# KiCad board CamTracker.kicad_pcb (continued)
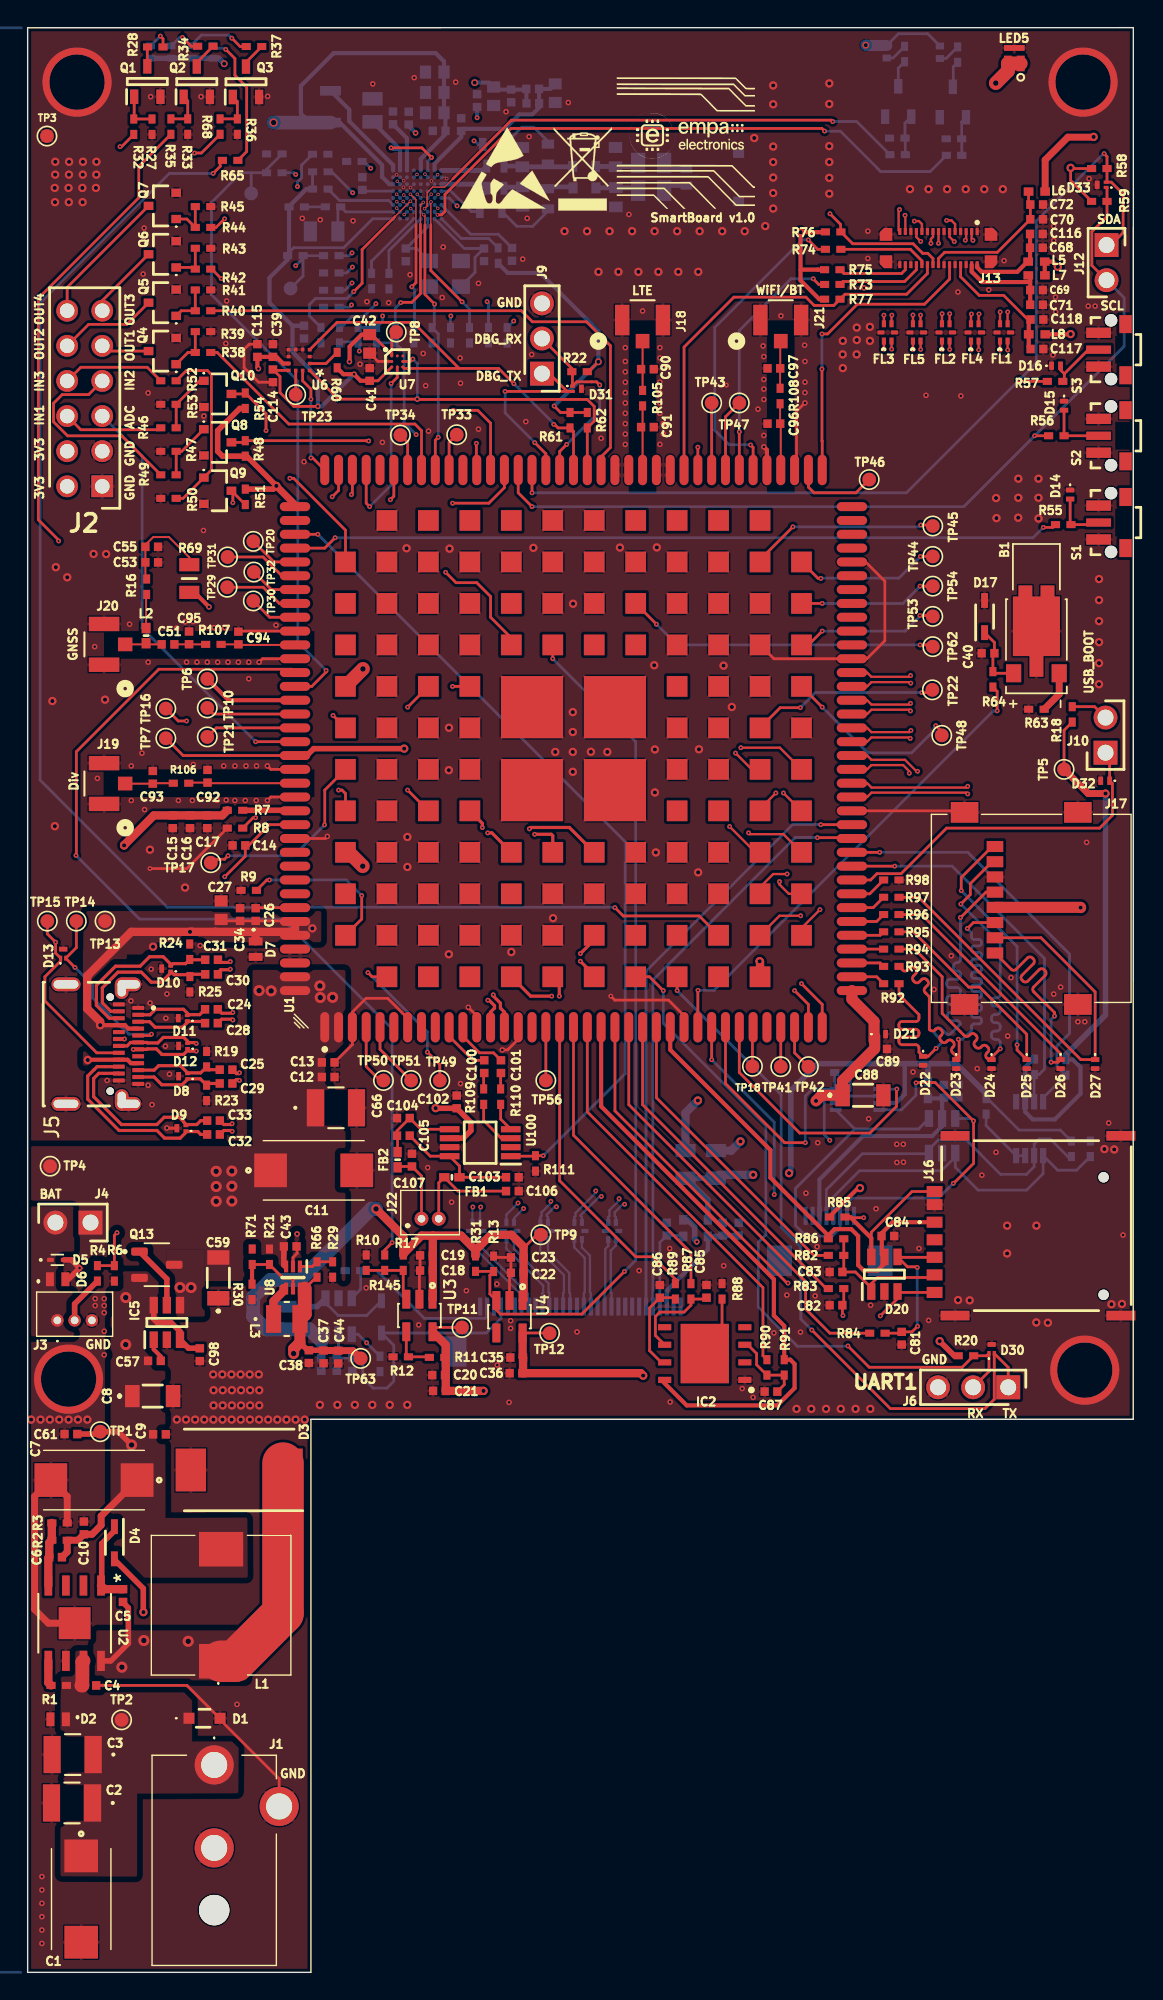
[diagram p0: board, top side]
## Footprints (pads in the part's own frame, mm; a bottom-side part is the same pattern mirrored in y, then rotated) (continued)
SC110501UTG
  rect 0.58x1 smd: 1(-0.56,0) 2(0.56,0)
SC120501ETG
  rect 0.35x0.6 smd: 1(-0.325,0) 2(0.325,0)
SD12CTCT
  rect 0.8x0.8 smd: 1(-1.125,0) 2(1.125,0)
SESD0402Q2UG0020090
  rect 0.23x0.35 smd: 1(-0.19,-0.325) 2(0.19,-0.325)
  rect 0.6x0.35 smd: 3(0,0.325)
SIM8066611401A
  round 0.75 hole 0.75 unplated: (-5,-4.86) (3.5,-4.86)
  rect 0.8x1.14 smd: C1(0.25,7.37) C2(-2.29,7.37) C3(-4.83,7.37) C5(1.52,7.37) C6(-1.02,7.37) C7(-3.56,7.37) CD1(2.47,7.37)
  rect 0.7x2.1 smd: G1(-6.5,5.89) G2(-6.5,-6.11) G3(6.5,-6.11) G4(6.5,5.89)
SMLP11VTT86R
  rect 0.6x0.5 smd: 1(0,-0.45) 2(0,0.45)
SOD2513X120N
  rect 1.075x0.5 smd: 1(-1.162,0) 2(1.162,0)
SODFL1006X40N
  rrect 0.5x0.3 smd: 1(-0.5,0) 2(0.5,0)
SON127P600X500X100-9N
  rect 0.95x0.45 smd: 1(-2.9,1.905) 2(-2.9,0.635) 3(-2.9,-0.635) 4(-2.9,-1.905) 5(2.9,-1.905) 6(2.9,-0.635) 7(2.9,0.635) 8(2.9,1.905)
  rect 3.5x4.3 smd: 9(0,0)
SOP8L_EP1_RIT
  rect 1.46x0.559 smd: 1(-2.724,1.905) 2(-2.724,0.635) 3(-2.724,-0.635) 4(-2.724,-1.905) 5(2.724,-1.905) 6(2.724,-0.635) 7(2.724,0.635) 8(2.724,1.905)
  rect 2.311x2.311 smd: EPAD(0,0)
SOP50P310X90-8N
  rect 0.85x0.3 smd: 1(-1.575,0.75) 2(-1.575,0.25) 3(-1.575,-0.25) 4(-1.575,-0.75) 5(1.575,-0.75) 6(1.575,-0.25) 7(1.575,0.25) 8(1.575,0.75)
SOP65P400X130-8N
  rect 1.1x0.45 smd: 1(-1.95,0.975) 2(-1.95,0.325) 3(-1.95,-0.325) 4(-1.95,-0.975) 5(1.95,-0.975) 6(1.95,-0.325) 7(1.95,0.325) 8(1.95,0.975)
SOP65P490X110-8N
  rect 1.425x0.45 smd: 1(-2.212,0.975) 2(-2.212,0.325) 3(-2.212,-0.325) 4(-2.212,-0.975) 5(2.212,-0.975) 6(2.212,-0.325) 7(2.212,0.325) 8(2.212,0.975)
SOT50P162X60-6N
  rect 0.85x0.3 smd: 1(-0.8,0.5) 2(-0.8,0) 3(-0.8,-0.5) 4(0.8,-0.5) 5(0.8,0) 6(0.8,0.5)
SOT95P230X110-3N
  rect 1.05x0.6 smd: 1(-1.1,0.95) 2(-1.1,-0.95) 3(1.1,0)
SOT95P280X125-3N
  rrect 1.21x0.59 smd: 1(-1.255,0.95) 2(-1.255,-0.95) 3(1.255,0)
SOT95P280X145-6N
  rect 1.2x0.6 smd: 1(-1.25,0.95) 2(-1.25,0) 3(-1.25,-0.95) 4(1.25,-0.95) 5(1.25,0) 6(1.25,0.95)
SOT95P285X140-6N
  rect 1.15x0.6 smd: 1(-1.3,0.95) 2(-1.3,0) 3(-1.3,-0.95) 4(1.3,-0.95) 5(1.3,0) 6(1.3,0.95)
SOT95P285X145-5N
  rrect 1.37x0.59 smd: 1(-1.175,0.95) 2(-1.175,0) 3(-1.175,-0.95) 4(1.175,-0.95) 5(1.175,0.95)
T495D
  rect 2.37x2.43 smd: 1(-3.12,0) 2(3.12,0)
T495X
  rect 2.37x2.43 smd: 1(-3.12,0) 2(3.12,0)
TestPoint_Pad_D1.0mm
  round 1 smd: 1(0,0)
VLS2520
  rect 0.85x2 smd: 1(-0.825,0) 2(0.825,0)
YXT_YXT-BB10-30S-02
  rect 0.23x0.5 smd: 1(-2.8,-1.2) 2(-2.4,-1.2) 3(-2,-1.2) 4(-1.6,-1.2) 5(-1.2,-1.2) 6(-0.8,-1.2) 7(-0.4,-1.2) 8(0,-1.2) 9(0.4,-1.2) 10(0.8,-1.2) 11(1.2,-1.2) 12(1.6,-1.2) 13(2,-1.2) 14(2.4,-1.2) 15(2.8,-1.2) 16(2.8,1.2) 17(2.4,1.2) 18(2,1.2) 19(1.6,1.2) 20(1.2,1.2) 21(0.8,1.2) 22(0.4,1.2) 23(0,1.2) 24(-0.4,1.2) 25(-0.8,1.2) 26(-1.2,1.2) 27(-1.6,1.2) 28(-2,1.2) 29(-2.4,1.2) 30(-2.8,1.2)
  custom 0.91x0.93 smd: 31(-3.8,-0.99) 32(3.8,-0.99) 33(3.8,0.99) 34(-3.8,0.99)

## Nets
GND: B1.SH1 C1.2 C2.2 C3.2 C4.2 C7.2 C8.2 C9.2 C10.2 C11.2 C12.2 C13.2 C14.1 C15.2 C16.2 C17.2 C18.2 C19.2 C20.2 C21.2 C22.2 C23.2 C26.2 C27.2 C34.2 C35.2 C36.2 C37.2 C38.2 C39.2 C40.2 C41.2 C42.1 C43.2 C44.1 C46.2 C47.2 C49.1 C50.2 C52.2 C53.2 C54.2 C55.2 C56.2 C59.1 C61.2 C62.2 C64.2 C66.2 C67.2 C68.2 C69.2 C70.2 C71.2 C72.2 C73.2 C74.2 C75.2 C76.1 C77.1 C78.1 C79.1 C80.1 C81.1 C82.1 C83.1 C84.2 C85.2 C86.2 C87.2 C88.2 C89.2 C90.2 C91.2 C92.2 C93.2 C94.2 C95.2 C96.2 C97.2 C98.2 C102.2 C103.1 C104.1 C106.1 C107.1 C112.2 C113.2 C114.2 C115.2 C116.2 C117.2 C118.2 C120.2 C122.1 C124.2 C127.2 C129.2 C136.2 C138.1 C139.2 C144.2 D1.2 D2.2 D3.2 D5.2 D6.2 D7.2 D8.3 D9.3 D10.3 D11.3 D12.3 D13.3 D14.1 D15.1 D16.1 D17.2 D19.2 D20.2 D21.2 D22.2 D23.2 D24.2 D25.2 D26.2 D27.2 D30.3 D31.3 D32.2 D33.3 FL1.5 FL1.6 FL2.5 FL2.6 FL3.5 FL3.6 FL4.5 FL4.6 FL5.5 FL5.6 FL6.5 FL6.6 FL7.5 FL7.6 FL8.5 FL8.6 FL9.5 FL9.6 FL10.5 FL10.6 IC1.A2 IC1.B2 IC1.C3 IC1.C4 IC1.D3 IC1.D4 IC1.E3 IC1.E4 IC1.F3 IC1.F4 IC1.G3 IC1.H2 IC2.1 IC3.1 IC4.2 IC5.2 J1.2 J1.3 J2.1 J2.3 J3.3 J5.A1 J5.A12 J5.B1 J5.B12 J5.G1 J5.G2 J5.G3 J5.G4 J6.3 J7.S1 J7.S2 J9.3 J13.1 J13.4 J13.7 J13.10 J13.13 J13.16 J13.18 J13.24 J13.26 J13.28 J13.31 J13.32 J13.33 J13.34 J14.6 J14.9 J14.12 J14.15 J14.18 J14.21 J14.22 J14.24 J14.29 J14.30 J14.MP1 J14.MP2 J15.1 J15.8 J15.MP1 J15.MP2 J16.C5 J16.G1 J16.G2 J16.G3 J16.G4 J17.MP1 J17.MP2 J17.MP3 J17.MP4 J17.P6 J18.2 J18.3 J19.2 J19.3 J20.2 J20.3 J21.2 J21.3 LED5.3 Q1.2 Q2.2 Q3.2 Q4.2 Q5.2 Q6.2 Q7.2 Q8.2 Q9.2 Q10.2 Q11.2 Q12.2 R3.2 R6.2 R8.2 R9.2 R10.2 R12.2 R13.2 R19.2 R23.2 R24.1 R25.1 R27.1 R29.2 R30.2 R33.1 R36.1 R39.1 R41.1 R43.1 R45.1 R47.1 R50.1 R53.1 R63.2 R67.2 R72.1 R78.2 R79.2 R88.1 R98.2 R111.2 R112.2 R114.2 R115.2 R119.1 R120.1 R122.2 R124.2 R132.2 R133.2 R134.2 R136.2 R137.2 R138.2 R139.2 R140.2 R150.1 S1.1 S1.3 S2.1 S2.3 S3.1 S3.3 TP3.1 U1.3 U1.7 U1.12 U1.15 U1.27 U1.51 U1.62 U1.69 U1.76 U1.78 U1.85 U1.86 U1.88 U1.89 U1.120 U1.122 U1.130 U1.132 U1.135 U1.140 U1.143 U1.144 U1.162 U1.171 U1.172 U1.176 U1.187 U1.188 U1.189 U1.190 U1.191 U1.202 U1.203 U1.204 U1.206 U1.207 U1.208 U1.209 U1.210 U1.211 U1.212 U1.213 U1.214 U1.215 U1.216 U1.217 U1.218 U1.219 U1.220 U1.221 U1.222 U1.223 U1.224 U1.226 U1.227 U1.228 U1.229 U1.230 U1.231 U1.233 U1.234 U1.235 U1.236 U1.237 U1.238 U1.240 U1.241 U1.243 U1.244 U1.245 U1.247 U1.248 U1.250 U1.251 U1.255 U1.256 U1.258 U1.259 U1.261 U1.266 U1.268 U1.269 U1.271 U1.272 U1.273 U1.274 U2.6 U2.EPAD U3.2 U4.2 U6.3 U6.5 U6.6 U6.7 U6.8 U7.B1 U8.2 U9.2 U100.7 Y1.2 Y1.4
VBAT: C11.1 C12.1 C13.1 C15.1 C16.1 C17.1 C43.1 C59.2 C66.1 IC5.4 J2.2 J2.4 J4.1 LED1.2 LED2.2 LED3.2 LED4.2 LED6.2 LED7.2 Q13.3 R7.2 R21.1 TP4.1 U1.1 U1.2 U1.145 U1.146 U8.3
VCC_GNSS: C53.1 C55.1 R16.2 R69.2
VDD_2V8: L5.2 L7.2 TP7.1 U1.129
/Antennas/ANT_DRX: C92.1 R106.2 U1.131
/Antennas/ANT_DRX_C: C93.1 J19.1 R106.1
/Antennas/ANT_GNSS: C94.1 R107.2 U1.121
/Antennas/ANT_GNSS_C0: C51.1 C95.1 R107.1
/Antennas/ANT_GNSS_C1: C51.2 J20.1 L2.2
/Antennas/ANT_MAIN: C91.1 R105.2 U1.87
/Antennas/ANT_MAIN_C: C90.1 J18.1 R105.1
/Antennas/ANT_WiFi: C96.1 R108.2 U1.77
/Antennas/ANT_WiFi_C0: C97.1 J21.1 R108.1
/Camera/CAM0_I2C_SCL: J13.22 R76.1 U1.83
/Camera/CAM0_I2C_SDA: J13.21 R77.1 U1.84
/Camera/CLK_N: FL1.4 J13.3
/Camera/CLK_P: FL1.3 J13.2
/Camera/CSI0_CLK_N: FL1.1 U1.157
/Camera/CSI0_CLK_P: FL1.2 U1.196
/Camera/CSI0_LN0_N: FL2.1 U1.158
/Camera/CSI0_LN0_P: FL2.2 U1.197
/Camera/CSI0_LN1_N: FL3.1 U1.159
/Camera/CSI0_LN1_P: FL3.2 U1.198
/Camera/CSI0_LN2_N: FL4.2 U1.160
/Camera/CSI0_LN2_P: FL4.1 U1.199
/Camera/CSI0_LN3_N: FL5.2 U1.161
/Camera/CSI0_LN3_P: FL5.1 U1.200
/Camera/MD0_N: FL2.4 J13.9
/Camera/MD0_P: FL2.3 J13.8
/Camera/MD1_N: FL3.4 J13.15
/Camera/MD1_P: FL3.3 J13.14
/Camera/MD2_N: FL4.3 J13.6
/Camera/MD2_P: FL4.4 J13.5
/Camera/MD3_N: FL5.3 J13.12
/Camera/MD3_P: FL5.4 J13.11
/Display/CLK_N: FL6.4 J14.13
/Display/CLK_P: FL6.3 J14.14
/Display/CTP_INT: D19.4 IC4.1 J15.6
/Display/CTP_RST: D19.6 IC4.8 J15.7
/Display/CTP_SCL: D19.3 IC3.6 J15.4 R152.2
/Display/CTP_SDA: D19.1 IC3.5 J15.5 R151.2
/Display/CTP_VDD: C79.2 C80.2 D19.5 J15.3 L12.2
/Display/D0_N: FL10.4 J14.7
/Display/D0_P: FL10.3 J14.8
/Display/D1_N: FL9.4 J14.10
/Display/D1_P: FL9.3 J14.11
/Display/D2_N: FL8.4 J14.16
/Display/D2_P: FL8.3 J14.17
/Display/D3_N: FL7.4 J14.19
/Display/D3_P: FL7.3 J14.20
/Display/DSI_CLK_N: FL6.1 U1.52
/Display/DSI_CLK_P: FL6.2 U1.53
/Display/DSI_LN0_N: FL10.1 U1.54
/Display/DSI_LN0_P: FL10.2 U1.55
/Display/DSI_LN1_N: FL9.1 U1.56
/Display/DSI_LN1_P: FL9.2 U1.57
/Display/DSI_LN2_N: FL8.1 U1.58
/Display/DSI_LN2_P: FL8.2 U1.59
/Display/DSI_LN3_N: FL7.1 U1.60
/Display/DSI_LN3_P: FL7.2 U1.61
/Display/IOVCC: C78.2 J14.27 L11.2
/Display/LED1-: J14.2 R79.1 U9.3
/Display/LED+: C74.1 C75.1 D18.1 J14.4 U9.5
/Display/PWM: R78.1 U1.29 U9.4
/Display/RESET: J14.26 U1.49
/Display/TE: J14.25 U1.50
/Display/TP_INT: IC4.4 R81.2 U1.30
/Display/TP_RST: IC4.5 U1.31
/Display/TP_SCL: IC3.3 R149.2 U1.47
/Display/TP_SDA: IC3.4 R148.2 U1.48
/Display/VCI: C76.2 C77.2 J14.28 L10.2
/Interfaces/ADC: J2.5 U1.128
/Interfaces/GPIO_31: Q10.3 R54.2 U1.97
/Interfaces/GPIO_32: Q8.3 R48.2 U1.99
/Interfaces/GPIO_33: Q9.3 R51.2 U1.108
/Interfaces/GPIO_103: R38.2 U1.103
/Interfaces/GPIO_106: R40.2 U1.90
/Interfaces/GPIO_107: R42.2 U1.98
/Interfaces/GPIO_112: R44.2 U1.177
/Interfaces/IN1: J2.6 R46.2
/Interfaces/IN2: J2.7 R49.2
/Interfaces/IN3: J2.8 R52.2
/Interfaces/LED1: R32.2 U1.267
/Interfaces/LED2: R35.2 U1.265
/Interfaces/LED3: R68.2 U1.105
/Interfaces/OUT1: J2.9 Q4.3
/Interfaces/OUT2: J2.10 Q5.3
/Interfaces/OUT3: J2.11 Q6.3
/Interfaces/OUT4: J2.12 Q7.3
/Interfaces/PWRKEY: R55.1 U1.114
/Interfaces/VOL_DOWN/I2C_SCL: D33.1 J12.2 R56.1 R59.2 U1.96
/Interfaces/VOL_UP/I2C_SDA : D33.2 J12.1 R57.1 R58.2 U1.95
/NFC_PN7220/I2C2_IRQ: IC1.H8 R144.2
/NFC_PN7220/I2C2_SCL: IC1.B6 R142.2
/NFC_PN7220/I2C2_SDA: IC1.A6 R125.2
/NFC_PN7220/I2C2_WAKEUP: IC1.D7 R124.1
/NFC_PN7220/NFC_DWL_REQ: R121.2 R123.1
/NFC_PN7220/NFC_LED1: IC1.G7 R70.2
/NFC_PN7220/NFC_LED2: IC1.F7 R118.2
/Power/ANODE: C6.1 C7.1 C8.1 C9.1 C10.1 C57.1 C61.1 C98.1 IC5.3 IC5.6 L1.2 Q13.2 R2.1 TP1.1
/Power/BAT_THERM: C14.2 R4.2 R6.1 U1.134
/SIM_SD/SD_LDO4: TP18.1 U1.32
/SIM_SD/USIM1_DET: D20.6 J16.CD1 R85.2 U1.22
/SIM_SD/USIM1_VDD: C84.1 D20.5 J16.C1 R86.1 U1.26
/SIM_SD/USIM2_CLK: R87.2 U1.19
/SIM_SD/USIM2_DATA: R90.2 U1.20
/SIM_SD/USIM2_RST: R89.2 U1.18
/SIM_SD/USIM2_VDD: IC2.8 R91.2 U1.21
/USB_UARTs/CC1: D13.2 J5.A5 TP14.1 U1.249
/USB_UARTs/CC2: D13.1 J5.B5 TP15.1 U1.246
/USB_UARTs/USB_D_N: D12.1 J5.A7 J5.B7 U1.13
/USB_UARTs/USB_D_P: D12.2 J5.A6 J5.B6 U1.14
/USB_UARTs/USB_SS1_RX_N: C31.2 U1.270
/USB_UARTs/USB_SS1_RX_P: C30.2 U1.252
/USB_UARTs/USB_SS1_TX_N: C28.1 U1.253
/USB_UARTs/USB_SS1_TX_P: C24.1 U1.254
/USB_UARTs/USB_SS2_RX_N: C25.1 U1.192
/USB_UARTs/USB_SS2_RX_P: C29.1 U1.152
/USB_UARTs/USB_SS2_TX_N: C32.2 U1.151
/USB_UARTs/USB_SS2_TX_P: C33.2 U1.150
/USB_UARTs/USB_SS_RX1_N: C31.1 D10.2 J5.B10 R24.2
/USB_UARTs/USB_SS_RX1_P: C30.1 D10.1 J5.B11 R25.2
/USB_UARTs/USB_SS_RX2_N: C25.2 D8.2 J5.A10 R19.1
/USB_UARTs/USB_SS_RX2_P: C29.2 D8.1 J5.A11 R23.1
/USB_UARTs/USB_SS_TX1_N: C28.2 D11.1 J5.A3
/USB_UARTs/USB_SS_TX1_P: C24.2 D11.2 J5.A2
/USB_UARTs/USB_SS_TX2_N: C32.1 D9.1 J5.B3
/USB_UARTs/USB_SS_TX2_P: C33.1 D9.2 J5.B2
ACCL_INT: U1.110 U6.12
AUDIO_EN: R111.1 U1.113 U100.1
CAM0_1V1_EN: R13.1 R31.2 U1.264 U4.3
CHG_LED: R65.2 U1.195
Flash LED: LED5.1 LED5.2 U1.180
LCM_VCC: IC4.7 L10.1 L12.1 R14.2 R15.2 R26.1 R151.1 R152.1
LCM_VCC_EN: R145.2 U1.123
LDO15A_1V8: C41.1 C113.1 C114.1 IC1.A8 IC3.2 IC4.3 IC4.6 L8.2 L11.1 R18.2 R20.1 R22.1 R48.1 R51.1 R54.1 R58.1 R59.1 R60.2 R61.2 R62.2 R75.1 R76.2 R77.2 R81.1 R85.1 R123.2 R125.1 R127.2 R128.2 R141.1 R142.1 R144.1 R148.1 R149.1 TP5.1 U1.111 U6.10 U7.C1
LDO17A_3V0: C39.1 C42.2 C115.1 R15.1 TP8.1 U1.156 U6.9 U7.A1
LDO_IOVDD: TP6.1 U1.125
MAG_INT: U1.107 U7.C2
NFC_I2C_SCL: R117.2 R127.1 U1.37
NFC_I2C_SDA: R116.2 R128.1 U1.36
NFC_IRQ: R131.2 R141.2 TP25.1 U1.109
NFC_MODE: IC1.E7 R120.2 U1.102
NFC_VDD_EN: R71.2
NFC_VEN: R122.1 R126.2 TP24.1 U1.124
Sensor_I2C_SCL: R62.1 U1.91 U6.1 U7.B3
Sensor_I2C_SDA: R61.1 U1.92 U6.4 U7.C3
SPI_MISO: R73.2 U1.80
VIB_DRV_P: R64.2 U1.28
VPH_PWR: C18.1 C19.1 C22.1 C23.1 C73.1 C102.1 L9.1 R17.1 R31.1 TP9.1 U1.184 U3.1 U4.1 U9.6 U100.6
VREG_1V1: C35.1 C36.1 L6.2 TP12.1 U4.5
VREG_3V3: C20.1 C21.1 R11.1 R14.1 R69.1 TP11.1 U3.5
VREG_3V3_NFC: C37.1 C38.1 C44.2 C46.1 C47.1 C52.1 C54.1 IC1.A3 IC1.E1 L3.2 L13.2 R66.1 TP63.1 U8.6
VUSB_BUS: C26.1 C27.1 C34.1 D7.1 J5.A4 J5.A9 J5.B4 J5.B9 TP13.1 U1.141 U1.142
Net-(B1-PadN): B1.N R63.1
Net-(C1-+): C1.1 C2.1 C3.1 C4.1 D1.1 D2.1 D4.2 J1.1 R1.1 TP2.1 U2.7
Net-(C45-Pad2): C45.2 C49.2 R129.2
Net-(C48-Pad2): C48.2 C50.1 R130.2
Net-(C100-Pad2): C100.2 R109.2
Net-(C101-Pad2): C101.2 R110.2
Net-(C106-Pad2): C106.2 FB1.2 J22.2
Net-(C107-Pad2): C107.2 FB2.2 J22.1
Net-(C131-Pad2): C131.2 R143.2
Net-(C137-Pad2): C137.2 R135.2
Net-(C138-Pad2): C45.1 C138.2 L16.2 R135.1
Net-(C139-Pad1): C48.1 C139.1 L15.2 R143.1
Net-(D3-K): C5.2 D3.1 L1.1 U2.8
Net-(D4-K): C5.1 D4.1 U2.1
Net-(D6-K): D5.1 D6.1 J3.1 J4.2
Net-(D14-Pad2): D14.2 R55.2 S1.2
Net-(D15-Pad2): D15.2 R56.2 S2.2
Net-(D16-Pad2): D16.2 R57.2 S3.2
Net-(D17-K): B1.P C40.1 D17.1 R64.1
Net-(D18-A): D18.2 L9.2 U9.1
Net-(D20-I/O1): C83.2 D20.1 J16.C7 R82.1 R86.2
Net-(D20-I/O2): C82.2 D20.3 J16.C3 R83.1
Net-(D20-I/O3): C81.2 D20.4 J16.C2 R84.1
Net-(D30-K_1): D30.1 J6.2 R20.2 U1.153
Net-(D30-K_2): D30.2 J6.1 U1.154
Net-(D31-K_1): D31.1 J9.2 R22.2 U1.93
Net-(D31-K_2): D31.2 J9.1 U1.94
Net-(IC1-BOOST_LX): IC1.A1 L13.1
Net-(IC1-HOST_IF_SEL0): IC1.C7 R67.1
Net-(IC1-HOST_IF_SEL1): IC1.C6 R112.1
Net-(IC1-IRQ1): IC1.B7 R131.1
Net-(IC1-RXN): C131.1 IC1.H4
Net-(IC1-RXP): C137.1 IC1.H5
Net-(IC1-SPI_CITO_/_I2C1__SDA): IC1.E6 R116.1
Net-(IC1-SPI_COTI_/_I2C1_ADR_BIT_1): IC1.D5 R115.1
Net-(IC1-SPI_NSS_/_I2C1_ADR_BIT_0): IC1.D6 R114.1
Net-(IC1-SPI_SCK_/_I2C1__SCL): IC1.E5 R117.1
Net-(IC1-SPIM_SCLK_/_TDA_EN_5V_3V): IC1.G5 R132.1
Net-(IC1-SPIM_SSN_/_TDA_EN_1.8V): IC1.G6 R133.1
Net-(IC1-TDA__CMDVCCN_/_GPIO5): IC1.B5 R140.1
Net-(IC1-TDA_CLKDIV1_/_SPIM_CITO): IC1.F6 R134.1
Net-(IC1-TDA_CLKDIV2_/_SPIM_COTI): IC1.F5 R136.1
Net-(IC1-TDA_CS0_/_GPIO0): IC1.E8 R137.1
Net-(IC1-TDA_CS1_/_GPIO1): IC1.D8 R138.1
Net-(IC1-TDA_CS2): IC1.A7 R121.1 R150.2
Net-(IC1-TDA_RSTIN_/_GPIO4): IC1.C5 R139.1
Net-(IC1-TX1): IC1.H1 L16.1
Net-(IC1-TX2): IC1.H3 L15.1
Net-(IC1-TXVCASC): C58.1 C60.1 C62.1 C112.1 IC1.F2
Net-(IC1-TXVCM): C136.1 IC1.G2
Net-(IC1-VDDBOOST): C56.1 IC1.B1 IC1.F1
Net-(IC1-VDDC): C120.1 IC1.C1
Net-(IC1-VDDNV): C124.1 IC1.A4
Net-(IC1-VDDPA): C58.2 C60.2 C64.1 C67.1 IC1.G1
Net-(IC1-VEN): IC1.B3 R126.1
Net-(IC1-VMID): C144.1 IC1.H6
Net-(IC1-VREF): C122.2 IC1.D2
Net-(IC1-XTAL1): C127.1 IC1.F8 Y1.1
Net-(IC1-XTAL2): C129.1 IC1.G8 Y1.3
Net-(IC2-CLK): C85.1 IC2.6 R87.1
Net-(IC2-EP): IC2.9 R88.2
Net-(IC2-I/O): C87.1 IC2.3 R90.1 R91.1
Net-(IC2-~{RESET}): C86.1 IC2.7 R89.1
Net-(IC3-EN): IC3.7 IC3.8 R26.2
Net-(IC5-GATE): IC5.5 Q13.1
Net-(IC5-VCAP): C57.2 IC5.1
Net-(J3-Pad2): J3.2 R4.1
Net-(J7-Pad1): J7.1 R129.1
Net-(J7-Pad2): J7.2 R130.1
Net-(J10-Pad2): J10.2 R18.1
Net-(J13-AF_VDD_2V8): C68.1 C116.1 J13.30 L5.1
Net-(J13-AVDD_2V95): C69.1 C71.1 J13.29 L7.1
Net-(J13-DOVDD1V8): C117.1 C118.1 J13.27 L8.1
Net-(J13-DVDD_1V2): C70.1 C72.1 J13.23 L6.1
Net-(J13-ID(DOVDD)): J13.17 R75.2
Net-(J13-MCLK): J13.25 U1.74
Net-(J13-NC(RESET)): J13.20 R74.1
Net-(J13-PWDN): J13.19 R73.1
Net-(J17-CD/DAT3): D27.1 J17.P2 R97.1
Net-(J17-CLK): D22.1 J17.P5 R92.1
Net-(J17-CMD): D23.1 J17.P3 R93.1
Net-(J17-DAT0): D24.1 J17.P7 R94.1
Net-(J17-DAT1): D25.1 J17.P8 R95.1
Net-(J17-DAT2): D26.1 J17.P1 R96.1
Net-(J17-VDD): C88.1 C89.1 D21.1 J17.P4 U1.38
Net-(L2-Pad1): L2.1 R16.1
Net-(LED1-K): LED1.1 R28.1
Net-(LED2-K): LED2.1 R34.1
Net-(LED3-K): LED3.1 R37.1
Net-(LED4-K): LED4.1 R65.1
Net-(LED6-K): LED6.1 R113.1
Net-(LED7-K): LED7.1 R146.1
Net-(Q1-B): Q1.1 R27.2 R32.1
Net-(Q1-C): Q1.3 R28.2
Net-(Q2-B): Q2.1 R33.2 R35.1
Net-(Q2-C): Q2.3 R34.2
Net-(Q3-B): Q3.1 R36.2 R68.1
Net-(Q3-C): Q3.3 R37.2
Net-(Q4-B): Q4.1 R38.1 R39.2
Net-(Q5-B): Q5.1 R40.1 R41.2
Net-(Q6-B): Q6.1 R42.1 R43.2
Net-(Q7-B): Q7.1 R44.1 R45.2
Net-(Q8-B): Q8.1 R47.2 R49.1
Net-(Q9-B): Q9.1 R50.2 R52.1
Net-(Q10-B): Q10.1 R46.1 R53.2
Net-(Q11-B): Q11.1 R70.1 R72.2
Net-(Q11-C): Q11.3 R113.2
Net-(Q12-B): Q12.1 R118.1 R119.2
Net-(Q12-C): Q12.3 R146.2
Net-(U1A-BAT_M): R8.1 U1.183
Net-(U1A-BAT_P): R7.1 U1.133
Net-(U1A-CBL_PWR_N): R9.1 U1.186
Net-(U1A-VRTC): TP10.1 U1.126
Net-(U1C-CAM0_RST): R74.2 U1.79
Net-(U1C-CAM1_I2C_SCL): TP44.1 U1.166
Net-(U1C-CAM1_I2C_SDA): TP45.1 U1.205
Net-(U1C-CAM1_MCLK): TP46.1 U1.75
Net-(U1C-CAM1_PWDN): TP43.1 U1.82
Net-(U1C-CAM1_RST): TP47.1 U1.81
Net-(U1C-CAM2_MCLK): TP54.1 U1.165
Net-(U1C-CAM2_PWDN): TP48.1 U1.163
Net-(U1C-CAM2_RST): TP53.1 U1.164
Net-(U1D-FRONT_CAM_EN/GPIO_101): TP62.1 U1.239
Net-(U1D-GPIO_86): TP17.1 U1.182
Net-(U1D-GPIO_102): TP34.1 U1.104
Net-(U1D-GPIO_104): TP33.1 U1.101
Net-(U1D-NFC_CLK): TP16.1 U1.181
Net-(U1D-PMU_GPIO04): TP20.1 U1.115
Net-(U1D-PMU_GPIO07): TP22.1 U1.201
Net-(U1D-PMU_GPIO08): TP21.1 U1.127
Net-(U1D-SPI_CLK/GPIO_16): TP31.1 U1.116
Net-(U1D-SPI_CS_N/GPIO_17): TP32.1 U1.117
Net-(U1D-SPI_MISO/GPIO_14): TP29.1 U1.118
Net-(U1D-SPI_MOSI/GPIO_15): TP30.1 U1.119
Net-(U1E-UART0_RXD/GPIO_3): TP42.1 U1.35
Net-(U1E-UART0_TXD/GPIO_2): TP41.1 U1.34
Net-(U1E-USB_BOOT): D32.1 J10.1 U1.46
Net-(U1F-SD_CLK): R92.2 U1.39
Net-(U1F-SD_CMD): R93.2 U1.40
Net-(U1F-SD_DATA0): R94.2 U1.41
Net-(U1F-SD_DATA1): R95.2 U1.42
Net-(U1F-SD_DATA2): R96.2 U1.43
Net-(U1F-SD_DATA3): R97.2 U1.44
Net-(U1F-SD_DET): R98.1 U1.45
Net-(U1F-USIM1_CLK): R83.2 U1.24
Net-(U1F-USIM1_DATA): R82.2 U1.25
Net-(U1F-USIM1_RST): R84.2 U1.23
Net-(U1F-USIM2_DET): TP56.1 U1.17
Net-(U1H-LINEOUT_M): C101.1 U1.11
Net-(U1H-LINEOUT_P): C100.1 U1.10
Net-(U1H-MIC1_M): TP51.1 U1.5
Net-(U1H-MIC1_P): TP50.1 U1.4
Net-(U1H-MIC_BIAS1): TP49.1 U1.147
Net-(U2-EN): R1.2 U2.5
Net-(U2-FB): C6.2 R2.2 R3.1 U2.4
Net-(U3-ADJ): R11.2 R12.1 U3.4
Net-(U3-EN): R10.1 R17.2 R145.1 U3.3
Net-(U6-CS): R60.1 U6.2
Net-(U6-INT2): TP23.1 U6.11
Net-(U8-EN): R21.2 R30.1 R71.1 U8.5
Net-(U8-FB): R29.1 R66.2 U8.1
Net-(U8-SW): L3.1 U8.4
Net-(U100-IN+): R109.1 U100.3
Net-(U100-IN-): R110.1 U100.4
Net-(U100-VO+): C104.2 C105.2 FB2.1 U100.5
Net-(U100-VO-): C103.2 C105.1 FB1.1 U100.8

Pads without a net: IC1 A5 B4 B8 C2 C8 D1 E2 G4 H7; IC2 2 4 5; J5 31 32 A8 B8; J14 1 3 5 23; J15 2; J16 C6; S1 Z1 Z2; S2 Z1 Z2; S3 Z1 Z2; U1 6 8 9 16 33 63 64 65 66 67 68 70 71 72 73 100 106 112 136 137 138 139 148 149 155 167 168 169 170 173 174 175 178 179 185 193 194 225 232 242 257 260 262 263; U2 2 3; U4 4; U7 A2 A3; U100 2

## Via types
v1: diameter 0.4, hole 0.2, Top to Bottom, 217 vias
v2: diameter 0.6, hole 0.3, Top to Bottom, 200 vias
v3: diameter 0.35, hole 0.15, Top to Bottom, 240 vias
v4: diameter 5, hole 4, Top to Bottom, 4 vias
v5: diameter 0.25, hole 0.15, Top to Bottom, 28 vias
v6: diameter 0.8, hole 0.4, Top to Bottom, 21 vias
v7: diameter 0.5, hole 0.3, Top to Bottom, 4 vias
v8: diameter 0.7, hole 0.4, Top to Bottom, 2 vias
v9: diameter 0.6, hole 0.4, Top to Bottom, 2 vias

## Routing (per net, layer and track width the routed paths; a pad name or vN(x,y) marks a point on that pad's centre or on a via; arc(x,y) is an arc through that point)
GND: length 130.9
  Top w0.2: v1(17.35,87.25) 17.6,87 U1.130 ; C115.2 16.04,117.75 15.66,117.37 15.66,116.05 16.71,115 C114.2 ; U1.12 32.5,69.18 v1(31.89,69.79) ; R29.2 22.06,50.27 ; U8.2 19.2,51.7 19.5,52 19.5,52.46 C43.2 ; U3.2 28.35,50.7 C18.2 C19.2 ; U1.51 67.69,84 J17.MP1 ; J1.3 18.2,14 13.74,18.46 13.74,18.53 11.53,20.75 C4.2 ; U7.B1 25.35,116.5 C42.1 ; U1.120 15.29,97 C94.2 ; v3(42.2,70.6) 42.49,70.31 46.38,70.31 47.5,69.19 U1.27 ; 14.45,82.75 11.52,79.83 v3(8.85,79.83) ; U1.203 54,95 U1.62 60.73,95 62.03,96.3 62.03,100.61 60.64,102 U1.69 ; v1(21.69,82.15) 21.54,82 U1.135 ; v1(34.35,66.71) 34.73,66.71 35.5,67.48 U1.15 ; U1.132 17.6,85 v1(17.35,84.75) ; U4.2 34.87,50.49 C22.2 C23.2 33.82,51.7 R13.2 ; v1(76.5,68.75) 76.55,68.75 76.59,68.71 ; U1.7 27.5,69 26.06,70.44 24.49,70.44 23.5,69.45 U1.3 23.5,67.1 C13.2 ; v1(16.75,94.75) 17,95 U1.122 ; U1.76 55.64,108.79 55.64,112.89 v1(56.25,113.5) ; U1.140 16.54,77 C26.2
  Top w0.23: D9.3 10.08,61.05 v1(10.07,61.06)
  Top w0.3: U1.78 53.5,110.1 v1(53.28,110.33)
  Top w0.4: D6.2 2.95,50.12 v1(3.76,50.93) 3.16,51.53 D5.2
  Top w0.5: U2.EPAD 1.5,25.25 0.5,26.25 0.5,34.42 C7.2 2.87,34.41 R3.2
  Bottom w0.1: IC1.H2 30.23,129.82 v5(30.33,129.72)
  vias: v1(1.03,6.92) v1(1.03,5.96) v1(1.03,4.99) v1(1.03,4.02) v1(1.03,3.06) v1(1.03,2.09) v1(4.85,95.88) v1(4.89,48.72) v1(4.89,48.22) v1(5.05,86.35) v1(5.54,48.72) v1(5.54,48.22) v1(5.54,47.71) v1(5.54,46.36) v1(5.54,44.66) v1(5.75,64.5) v1(7.38,97.5) v1(7.5,87.25) v1(7.5,84.75) v1(7.47,70.26) v1(8.27,88.17) v1(8.43,126.15) v1(8.36,122.82) v1(8.46,84.09) v1(8.72,114.22) v1(8.72,94.75) v1(8.72,64.15) v1(8.9,135.65) v1(8.94,72.55) v1(8.86,70.1) v1(9,62.75) v1(10,69) v1(9.97,66.98) v1(10.08,70.76) v1(10.26,64.96) v1(10.79,97.22) v1(10.91,84.75) v1(11.39,97.67) v1(11.5,94.75) v1(11.92,84.75) v1(11.98,97.69) v1(11.99,87.35) v1(12.25,94.75) v1(12.55,135.65) v1(12.49,74.26) v1(12.72,104.28) v1(12.75,112.55) v1(12.75,97.25) v1(13,94.75) v1(13.5,97.25) v1(13.71,84.76) v1(13.75,94.75) v1(14.25,97.25) v1(14.19,87.25) v1(14.34,117.8) v1(14.4,120.88) v1(14.37,84.78) v1(14.5,94.75) v1(15,87.25) v1(14.99,84.75) v1(15.25,94.75) v1(15.15,19.38) v1(15.8,87.25) v1(15.75,84.75) v1(16,94.75) v1(16,93.55) v1(16.54,84.75) v1(16.56,87.25) v1(17.37,135.68) v1(17.97,97.42) v1(19.5,53.4) v1(19.88,126.85) v1(20,109.25) v1(21.17,126.75) v1(23.55,126.67) v1(24.05,116.3) v1(24.55,120.83) v1(24.5,49.5) v1(24.97,136.57) v1(25.67,110.65) v1(26.12,120.75) v1(27.67,122.78) v1(27.97,137.03) v1(28.3,46.82) v1(28.62,117.08) v1(28.8,114.75) v1(29.01,111.46) v1(28.95,58.2) v1(30,121.12) v1(30.08,124.78) v1(30.68,55.7) v1(30.97,136.7) v1(31.3,116.75) v1(31.33,114.92) v1(31.33,64.28) v1(31.75,49.3) v1(32.62,122.15) v1(32.62,111.6) v1(33.95,49.78) v1(33.99,43.92) v1(34.62,134.56) v1(34.84,41.22) v1(34.95,47.12) v1(34.95,46.57) v1(35.83,123.9) v1(36.05,112.15) v1(36.15,126.85) v1(36.29,132.76) v1(36.47,117) v1(39.12,135.22) v1(39.75,46.32) v1(41.5,110.94) v1(43.25,117.5) v1(43.25,116.5) v1(43.25,115.75) v1(43.25,115) v1(43.25,114.25) v1(43.25,113.5) v1(43.25,112.75) v1(43.25,112) v1(43.25,111.25) v1(43.25,110.5) v1(43.51,127.13) v1(44.25,50.75) v1(44.5,120.15) v1(45.75,117.5) v1(45.75,116.75) v1(45.75,115) v1(45.75,114.25) v1(45.75,113.5) v1(45.75,112.75) v1(45.75,110.5) v1(46,116) v1(46,112) v1(46,111.25) v1(46.46,52.35) v1(46.5,41.25) v1(50.37,51.1) v1(51.71,42.22) v1(52.5,41.58) v1(52.85,113.05) v1(53.22,117.62) v1(53.28,116.85) v1(53.28,115.2) v1(53.28,114.5) v1(53.28,113.75) v1(53.28,111.15) v1(54,46.25) v1(54.51,119.8) v1(54.94,48.98) v1(55.92,46.3) v1(56.22,117.67) v1(56.25,116.5) v1(56.25,115) v1(56.25,114.25) v1(56.32,56.35) v1(56.99,48.92) v1(57.13,52.48) v1(57.17,60) v1(60.52,121.82) v1(60.8,125.92) v1(60.8,123.95) v1(60.86,61.73) v1(61,48.25) v1(61.4,55.22) v1(62.89,59.89) v1(62.9,58.57) v1(63.37,59.89) v1(63.38,58.59) v1(64.07,65.12) v1(64.5,52.35) v1(65.01,114.05) v1(65.2,47.15) v1(65.59,71.08) v1(66.84,73.52) v1(67.32,121.52) v1(67.53,114.01) v1(68.72,65.36) v1(69.05,57.65) v1(69.55,121.68) v1(70.07,59.31) v1(70.66,123.79) v1(70.92,67.71) v1(71.16,71.94) v1(74.25,126.28) v1(74.25,125.25) v1(74.2,116.96) v1(74.25,70.75) v1(74.38,121.15) v1(74.39,120.08) v1(74.75,71.25) v1(76,68.75) v1(76.63,81.72) v1(76.81,129.72) v1(76.75,120.5) v1(77.25,120.5) v1(78.23,61.43) v1(79.27,53.32) v2(0.25,39.97) v2(0.93,39.97) v2(1.61,39.97) v2(1.79,91.94) v2(2,130.94) v2(1.99,130.01) v2(1.96,129.05) v2(1.98,128.02) v2(2.04,101.62) v2(1.97,82.89) v2(2.29,39.97) v2(2.87,100.89) v2(3,130.94) v2(2.99,130.01) v2(2.96,129.05) v2(2.98,128.02) v2(2.96,39.97) v2(3.64,39.97) v2(4,130.94) v2(3.99,130.01) v2(3.96,129.05) v2(3.98,128.02) v2(4.32,39.97) v2(4.77,102.58) v2(4.94,129.05) v2(4.98,130.94) v2(4.97,130.01) v2(5.6,92.04) v2(5.68,102.57) v2(8.85,81.19) v2(10.8,39.97) v2(11.39,78.45) v2(11.46,39.97) v2(12.12,39.97) v2(12.78,39.97) v2(13.43,43.24) v2(13.44,39.97) v2(13.46,42.1) v2(13.46,41) v2(14.09,43.24) v2(14.12,42.1) v2(14.12,41) v2(14.1,39.97) v2(14.75,43.24) v2(14.78,42.1) v2(14.78,41) v2(14.76,39.97) v2(15.41,43.24) v2(15.44,42.1) v2(15.44,41) v2(15.42,39.97) v2(16.07,43.24) v2(16.1,42.1) v2(16.1,41) v2(16.08,39.97) v2(16.73,43.24) v2(16.75,39.97) v2(16.76,42.1) v2(16.76,41) v2(17.41,39.97) v2(18.07,39.97) v2(18.73,39.97) v2(19.39,39.97) v2(20.05,39.97) v2(21.15,41.04) v2(22.41,41.04) v2(23.68,41.04) v2(24.94,41.04) v2(26.21,41.04) v2(27.42,102.99) v2(27.48,82.11) v2(27.48,79.94) v2(27.47,41.04) v2(30.53,102.96) v2(30.49,90.01) v2(30.48,86.94) v2(30.48,73.63) v2(35,73.79) v2(36.6,103.02) v2(38.02,76.24) v2(38.18,88.26) v2(38.85,125.92) v2(39.47,98.98) v2(39.45,91.14) v2(39.45,89.7) v2(39.45,88.26) v2(39.45,86.82) v2(40.48,125.92) v2(40.76,88.27) v2(41.31,122.98) v2(41.95,88.26) v2(42.11,125.92) v2(42.75,122.98) v2(42.86,103.04) v2(43.74,125.92) v2(44.2,122.98) v2(45.34,94.53) v2(45.37,125.92) v2(45.39,88.44) v2(45.39,85.33) v2(45.53,103.05) v2(45.46,80.99) v2(45.64,122.98) v2(47,125.92) v2(47.09,122.98) v2(48.53,122.98) v2(48.52,79.55) v2(48.63,125.92) v2(48.58,88.45) v2(50.26,125.92) v2(50.36,94.5) v2(50.96,91.51) v2(51.89,125.92) v2(52.58,132.66) v2(53.38,126.29) v2(53.95,136.46) v2(53.95,135.1) v2(53.95,132.04) v2(53.95,130.92) v2(53.95,129.8) v2(53.95,128.68) v2(53.95,127.56) v2(55.64,40.75) v2(56.71,40.75) v2(57.78,40.75) v2(58.01,136.61) v2(58.01,135.12) v2(58.01,132.07) v2(58.01,130.92) v2(58.01,129.78) v2(58.01,128.63) v2(58.84,40.75) v2(58.99,117.99) v2(58.98,117.01) v2(58.99,116.02) v2(59.91,40.75) v2(60,118.95) v2(60,118.05) v2(59.99,117.01) v2(60.95,119) v2(60.95,117.99) v2(60.98,40.75) v2(63.85,128.96) v2(65.19,128.96) v2(66.54,128.96) v2(67.33,48.62) v2(67.88,128.96) v2(68.17,48.6) v2(69.23,128.96) v2(70.08,106.62) v2(70.11,105.17) v2(70.57,128.96) v2(70.88,54) v2(70.88,51.99) v2(71.69,108.02) v2(71.69,106.64) v2(71.68,105.2) v2(73,54) v2(72.99,47) v2(73.15,108.02) v2(73.15,106.64) v2(73.15,105.14) v2(73.83,46.98) v2(77.53,100.76) v2(77.53,99.24) v2(77.53,97.72) v2(77.53,96.2) v2(77.53,94.68) v2(77.53,93.16) v2(77.92,59.54) v2(78.43,48.32) v2(78.63,59.51) v2(79.19,48.34) v3(50.57,114.79) v4(2.96,42.9) v4(3.58,136.7) v4(76.38,136.7) v4(76.5,43.55) v5(26.7,130) v5(27.21,129.57) v5(27.2,129.09) v5(27.71,129.07) v5(29.22,129.55)